# KiCad board panel.kicad_pcb (continued)
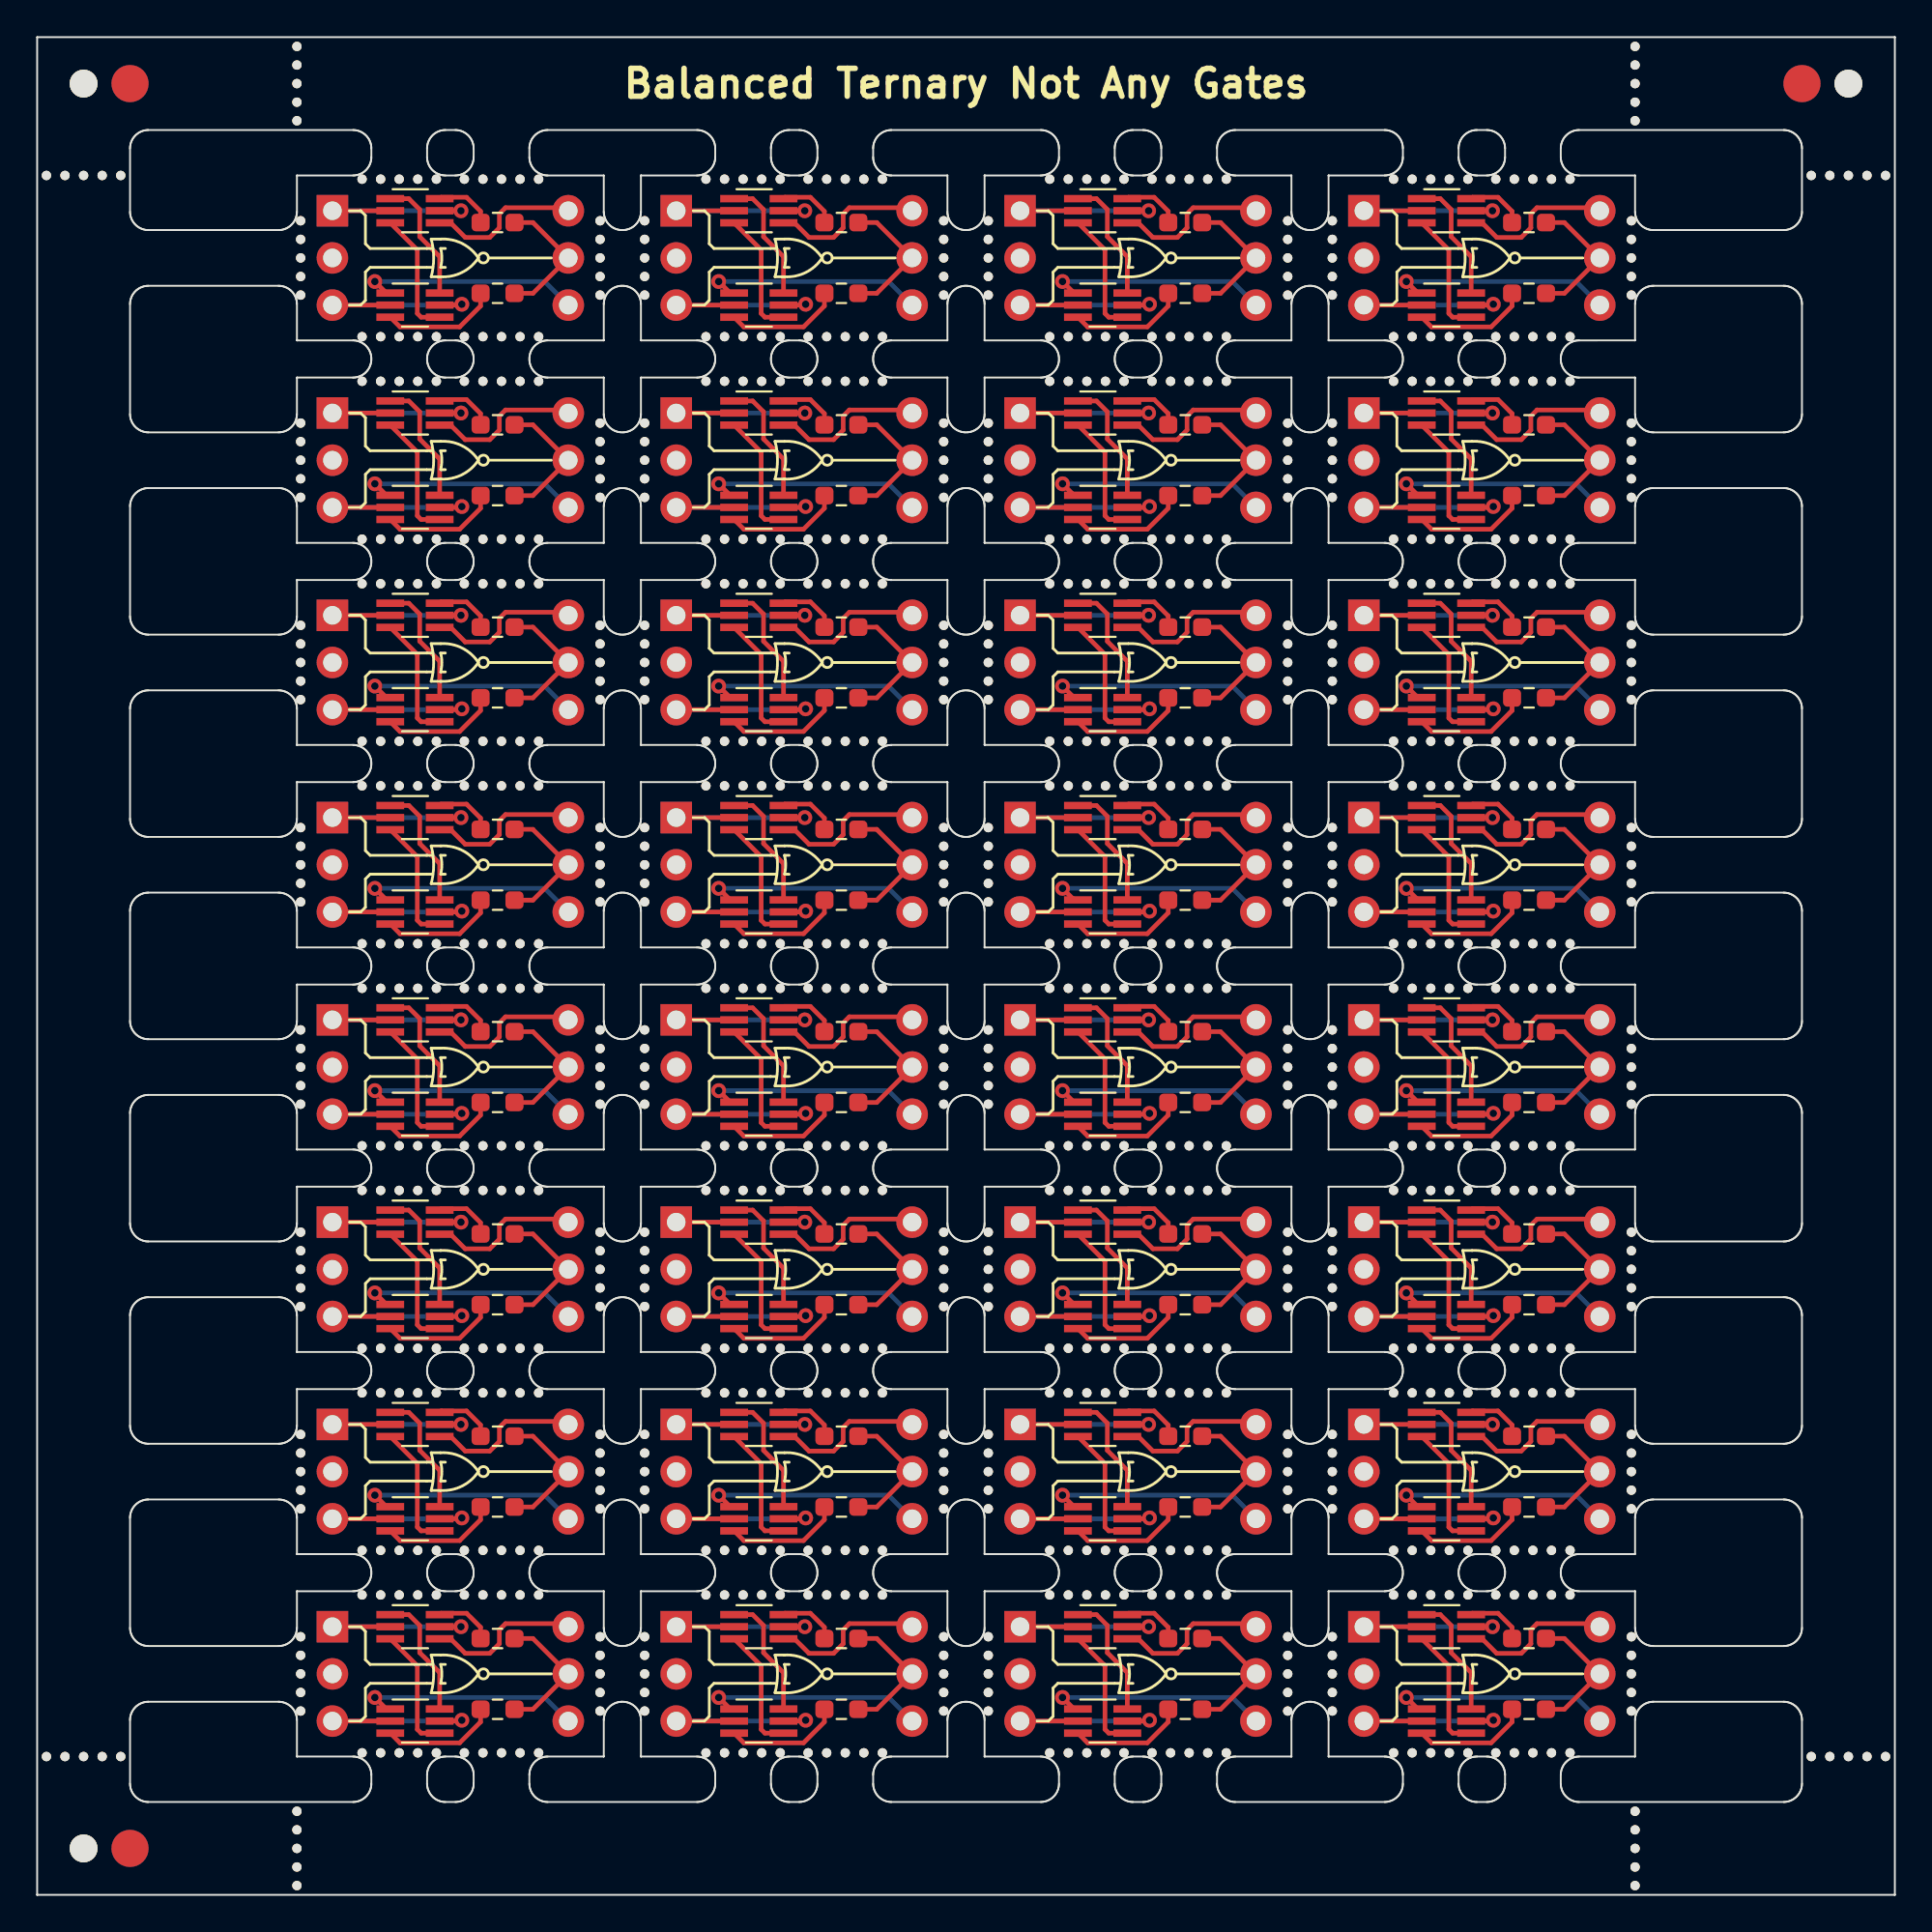
[diagram p0: board, top side]
## Routing (per net, layer and track width the routed paths; a pad name or vN(x,y) marks a point on that pad's centre or on a via; arc(x,y) is an arc through that point) (continued)
  Top w0.25: Q2#2.6 77.2,77.3 76.13,78.38 76.13,79.84 75.54,80.43 Q1#27.1
Board_7-Net-(Q1-Pad3): length 6.8
  Top w0.25: Q2#2.4 76.2,74.05 76,74.25 76,77.67 Q1#27.3
Board_7-Net-(Q1-Pad6): length 3.2
  Top w0.25: Q1#27.6 77.27,80.5 78.65,80.5 79.4,79.75 R2#32.2
Board_7-Net-(Q2-Pad3): length 6.2
  Top w0.25: Q2#2.3 75.06,73.52 78.28,73.52 79.4,74.65 R1#26.1
Board_7-Out: length 7.4
  Top w0.25: R2#32.1 82.22,79.14 J2#8.2 82.22,75.33 R1#26.2
Board_7-VDD: length 8.4
  Top w0.25: Q1#27.4 77.79,79.13 78.58,78.34 79.9,78.34 80.42,78.86 80.42,79.61 80.74,79.94 83.96,79.94 J2#8.1
Board_7-VSS: length 12
  Top w0.25: Q2#2.1 74.33,75.35 v1(73.71,75.97)
  Bottom w0.25: v1(73.71,75.97) 82.86,75.97 J2#8.3
Board_8-A: length 11.3
  Top w0.25: J1#9.3 Q2.2 ; v1(22.86,63.85) 22.82,63.81 Q2.5
  Bottom w0.25: v1(22.86,63.85) 22.82,63.81 J1#9.3
Board_8-B: length 11.2
  Top w0.25: Q1#29.5 v1(22.82,68.89) ; J1#9.1 Q1#29.2
  Bottom w0.25: v1(22.82,68.89) J1#9.1
Board_8-Net-(Q1-Pad1): length 6.8
  Top w0.25: Q2.6 21.67,66.41 20.6,67.49 20.6,68.95 20.01,69.54 Q1#29.1
Board_8-Net-(Q1-Pad3): length 6.8
  Top w0.25: Q1#29.3 20.47,66.78 20.47,63.36 20.67,63.16 Q2.4
Board_8-Net-(Q1-Pad6): length 3.2
  Top w0.25: R2#14.2 23.87,68.86 23.12,69.61 21.74,69.61 Q1#29.6
Board_8-Net-(Q2-Pad3): length 6.2
  Top w0.25: R1#5.1 23.87,63.76 22.74,62.63 19.53,62.63 Q2.3
Board_8-Out: length 7.4
  Top w0.25: R1#5.2 26.69,64.44 J2#6.2 26.69,68.25 R2#14.1
Board_8-VDD: length 8.4
  Top w0.25: Q1#29.4 22.26,68.24 23.05,67.45 24.37,67.45 24.88,67.97 24.88,68.72 25.21,69.05 28.43,69.05 J2#6.1
Board_8-VSS: length 12
  Top w0.25: Q2.1 18.8,64.46 v1(18.18,65.08)
  Bottom w0.25: v1(18.18,65.08) 27.33,65.08 J2#6.3
Board_9-A: length 11.3
  Top w0.25: v1(41.37,63.85) 41.33,63.81 Q2#22.5 ; J1#29.3 Q2#22.2
  Bottom w0.25: J1#29.3 41.33,63.81 v1(41.37,63.85)
Board_9-B: length 11.2
  Top w0.25: J1#29.1 Q1#19.2 ; Q1#19.5 v1(41.33,68.89)
  Bottom w0.25: v1(41.33,68.89) J1#29.1
Board_9-Net-(Q1-Pad1): length 6.8
  Top w0.25: Q2#22.6 40.18,66.41 39.11,67.49 39.11,68.95 38.52,69.54 Q1#19.1
Board_9-Net-(Q1-Pad3): length 6.8
  Top w0.25: Q1#19.3 38.98,66.78 38.98,63.36 39.18,63.16 Q2#22.4
Board_9-Net-(Q1-Pad6): length 3.2
  Top w0.25: Q1#19.6 40.25,69.61 41.63,69.61 42.38,68.86 R2#20.2
Board_9-Net-(Q2-Pad3): length 6.2
  Top w0.25: R1#20.1 42.38,63.76 41.26,62.63 38.05,62.63 Q2#22.3
Board_9-Out: length 7.4
  Top w0.25: R1#20.2 45.2,64.44 J2#27.2 45.2,68.25 R2#20.1
Board_9-VDD: length 8.4
  Top w0.25: Q1#19.4 40.77,68.24 41.55,67.45 42.88,67.45 43.4,67.97 43.4,68.72 43.72,69.05 46.94,69.05 J2#27.1
Board_9-VSS: length 12
  Top w0.25: v1(36.69,65.08) 37.31,64.46 Q2#22.1
  Bottom w0.25: v1(36.69,65.08) 45.84,65.08 J2#27.3
Board_10-A: length 11.3
  Top w0.25: J1#21.3 Q2#20.2 ; Q2#20.5 59.84,63.81 v1(59.88,63.85)
  Bottom w0.25: J1#21.3 59.84,63.81 v1(59.88,63.85)
Board_10-B: length 11.2
  Top w0.25: J1#21.1 Q1#25.2 ; Q1#25.5 v1(59.84,68.89)
  Bottom w0.25: v1(59.84,68.89) J1#21.1
Board_10-Net-(Q1-Pad1): length 6.8
  Top w0.25: Q2#20.6 58.69,66.41 57.62,67.49 57.62,68.95 57.03,69.54 Q1#25.1
Board_10-Net-(Q1-Pad3): length 6.8
  Top w0.25: Q2#20.4 57.69,63.16 57.49,63.36 57.49,66.78 Q1#25.3
Board_10-Net-(Q1-Pad6): length 3.2
  Top w0.25: Q1#25.6 58.76,69.61 60.14,69.61 60.89,68.86 R2#7.2
Board_10-Net-(Q2-Pad3): length 6.2
  Top w0.25: R1#19.1 60.89,63.76 59.77,62.63 56.56,62.63 Q2#20.3
Board_10-Out: length 7.4
  Top w0.25: R1#19.2 63.71,64.44 J2#15.2 63.71,68.25 R2#7.1
Board_10-VDD: length 8.4
  Top w0.25: Q1#25.4 59.28,68.24 60.06,67.45 61.39,67.45 61.91,67.97 61.91,68.72 62.23,69.05 65.45,69.05 J2#15.1
Board_10-VSS: length 12
  Top w0.25: Q2#20.1 55.82,64.46 v1(55.2,65.08)
  Bottom w0.25: v1(55.2,65.08) 64.34,65.08 J2#15.3
Board_11-A: length 11.3
  Top w0.25: J1#24.3 Q2#10.2 ; v1(78.39,63.85) 78.35,63.81 Q2#10.5
  Bottom w0.25: v1(78.39,63.85) 78.35,63.81 J1#24.3
Board_11-B: length 11.2
  Top w0.25: J1#24.1 Q1#21.2 ; Q1#21.5 v1(78.35,68.89)
  Bottom w0.25: v1(78.35,68.89) J1#24.1
Board_11-Net-(Q1-Pad1): length 6.8
  Top w0.25: Q1#21.1 75.54,69.54 76.13,68.95 76.13,67.49 77.2,66.41 Q2#10.6
Board_11-Net-(Q1-Pad3): length 6.8
  Top w0.25: Q2#10.4 76.2,63.16 76,63.36 76,66.78 Q1#21.3
Board_11-Net-(Q1-Pad6): length 3.2
  Top w0.25: Q1#21.6 77.27,69.61 78.65,69.61 79.4,68.86 R2.2
Board_11-Net-(Q2-Pad3): length 6.2
  Top w0.25: Q2#10.3 75.06,62.63 78.28,62.63 79.4,63.76 R1#9.1
Board_11-Out: length 7.4
  Top w0.25: R2.1 82.22,68.25 J2#26.2 82.22,64.44 R1#9.2
Board_11-VDD: length 8.4
  Top w0.25: Q1#21.4 77.79,68.24 78.58,67.45 79.9,67.45 80.42,67.97 80.42,68.72 80.74,69.05 83.96,69.05 J2#26.1
Board_11-VSS: length 12
  Top w0.25: Q2#10.1 74.33,64.46 v1(73.71,65.08)
  Bottom w0.25: J2#26.3 82.86,65.08 v1(73.71,65.08)
Board_12-A: length 11.3
  Top w0.25: v1(22.86,52.96) 22.82,52.92 Q2#6.5 ; J1#2.3 Q2#6.2
  Bottom w0.25: J1#2.3 22.82,52.92 v1(22.86,52.96)
Board_12-B: length 11.2
  Top w0.25: Q1#10.5 v1(22.82,58) ; J1#2.1 Q1#10.2
  Bottom w0.25: v1(22.82,58) J1#2.1
Board_12-Net-(Q1-Pad1): length 6.8
  Top w0.25: Q1#10.1 20.01,58.65 20.6,58.06 20.6,56.6 21.67,55.52 Q2#6.6
Board_12-Net-(Q1-Pad3): length 6.8
  Top w0.25: Q2#6.4 20.67,52.27 20.47,52.47 20.47,55.89 Q1#10.3
Board_12-Net-(Q1-Pad6): length 3.2
  Top w0.25: Q1#10.6 21.74,58.72 23.12,58.72 23.87,57.97 R2#17.2
Board_12-Net-(Q2-Pad3): length 6.2
  Top w0.25: R1#30.1 23.87,52.87 22.74,51.74 19.53,51.74 Q2#6.3
Board_12-Out: length 7.4
  Top w0.25: R1#30.2 26.69,53.55 J2#22.2 26.69,57.36 R2#17.1
Board_12-VDD: length 8.4
  Top w0.25: Q1#10.4 22.26,57.35 23.05,56.56 24.37,56.56 24.88,57.08 24.88,57.83 25.21,58.16 28.43,58.16 J2#22.1
Board_12-VSS: length 12
  Top w0.25: v1(18.18,54.19) 18.8,53.57 Q2#6.1
  Bottom w0.25: v1(18.18,54.19) 27.33,54.19 J2#22.3
Board_13-A: length 11.3
  Top w0.25: J1#8.3 Q2#8.2 ; Q2#8.5 41.33,52.92 v1(41.37,52.96)
  Bottom w0.25: J1#8.3 41.33,52.92 v1(41.37,52.96)
Board_13-B: length 11.2
  Top w0.25: J1#8.1 Q1#2.2 ; Q1#2.5 v1(41.33,58)
  Bottom w0.25: v1(41.33,58) J1#8.1
Board_13-Net-(Q1-Pad1): length 6.8
  Top w0.25: Q2#8.6 40.18,55.52 39.11,56.6 39.11,58.06 38.52,58.65 Q1#2.1
Board_13-Net-(Q1-Pad3): length 6.8
  Top w0.25: Q1#2.3 38.98,55.89 38.98,52.47 39.18,52.27 Q2#8.4
Board_13-Net-(Q1-Pad6): length 3.2
  Top w0.25: R2#27.2 42.38,57.97 41.63,58.72 40.25,58.72 Q1#2.6
Board_13-Net-(Q2-Pad3): length 6.2
  Top w0.25: Q2#8.3 38.05,51.74 41.26,51.74 42.38,52.87 R1#4.1
Board_13-Out: length 7.4
  Top w0.25: R2#27.1 45.2,57.36 J2#12.2 45.2,53.55 R1#4.2
Board_13-VDD: length 8.4
  Top w0.25: Q1#2.4 40.77,57.35 41.55,56.56 42.88,56.56 43.4,57.08 43.4,57.83 43.72,58.16 46.94,58.16 J2#12.1
Board_13-VSS: length 12
  Top w0.25: v1(36.69,54.19) 37.31,53.57 Q2#8.1
  Bottom w0.25: v1(36.69,54.19) 45.84,54.19 J2#12.3
Board_14-A: length 11.3
  Top w0.25: Q2#32.5 59.84,52.92 v1(59.88,52.96) ; J1#25.3 Q2#32.2
  Bottom w0.25: v1(59.88,52.96) 59.84,52.92 J1#25.3
Board_14-B: length 11.2
  Top w0.25: Q1#30.5 v1(59.84,58) ; J1#25.1 Q1#30.2
  Bottom w0.25: v1(59.84,58) J1#25.1
Board_14-Net-(Q1-Pad1): length 6.8
  Top w0.25: Q2#32.6 58.69,55.52 57.62,56.6 57.62,58.06 57.03,58.65 Q1#30.1
Board_14-Net-(Q1-Pad3): length 6.8
  Top w0.25: Q2#32.4 57.69,52.27 57.49,52.47 57.49,55.89 Q1#30.3
Board_14-Net-(Q1-Pad6): length 3.2
  Top w0.25: Q1#30.6 58.76,58.72 60.14,58.72 60.89,57.97 R2#8.2
Board_14-Net-(Q2-Pad3): length 6.2
  Top w0.25: R1#22.1 60.89,52.87 59.77,51.74 56.56,51.74 Q2#32.3
Board_14-Out: length 7.4
  Top w0.25: R2#8.1 63.71,57.36 J2#7.2 63.71,53.55 R1#22.2
Board_14-VDD: length 8.4
  Top w0.25: J2#7.1 65.45,58.16 62.23,58.16 61.91,57.83 61.91,57.08 61.39,56.56 60.06,56.56 59.28,57.35 Q1#30.4
Board_14-VSS: length 12
  Top w0.25: Q2#32.1 55.82,53.57 v1(55.2,54.19)
  Bottom w0.25: J2#7.3 64.34,54.19 v1(55.2,54.19)
Board_15-A: length 11.3
  Top w0.25: J1#5.3 Q2#15.2 ; v1(78.39,52.96) 78.35,52.92 Q2#15.5
  Bottom w0.25: v1(78.39,52.96) 78.35,52.92 J1#5.3
Board_15-B: length 11.2
  Top w0.25: J1#5.1 Q1#23.2 ; Q1#23.5 v1(78.35,58)
  Bottom w0.25: v1(78.35,58) J1#5.1
Board_15-Net-(Q1-Pad1): length 6.8
  Top w0.25: Q2#15.6 77.2,55.52 76.13,56.6 76.13,58.06 75.54,58.65 Q1#23.1
Board_15-Net-(Q1-Pad3): length 6.8
  Top w0.25: Q2#15.4 76.2,52.27 76,52.47 76,55.89 Q1#23.3
Board_15-Net-(Q1-Pad6): length 3.2
  Top w0.25: R2#21.2 79.4,57.97 78.65,58.72 77.27,58.72 Q1#23.6
Board_15-Net-(Q2-Pad3): length 6.2
  Top w0.25: Q2#15.3 75.06,51.74 78.28,51.74 79.4,52.87 R1#23.1
Board_15-Out: length 7.4
  Top w0.25: R2#21.1 82.22,57.36 J2#9.2 82.22,53.55 R1#23.2
Board_15-VDD: length 8.4
  Top w0.25: Q1#23.4 77.79,57.35 78.58,56.56 79.9,56.56 80.42,57.08 80.42,57.83 80.74,58.16 83.96,58.16 J2#9.1
Board_15-VSS: length 12
  Top w0.25: Q2#15.1 74.33,53.57 v1(73.71,54.19)
  Bottom w0.25: J2#9.3 82.86,54.19 v1(73.71,54.19)
Board_16-A: length 11.3
  Top w0.25: v1(22.86,42.07) 22.82,42.03 Q2#24.5 ; J1#19.3 Q2#24.2
  Bottom w0.25: J1#19.3 22.82,42.03 v1(22.86,42.07)
Board_16-B: length 11.2
  Top w0.25: J1#19.1 Q1#16.2 ; Q1#16.5 v1(22.82,47.11)
  Bottom w0.25: v1(22.82,47.11) J1#19.1
Board_16-Net-(Q1-Pad1): length 6.8
  Top w0.25: Q1#16.1 20.01,47.76 20.6,47.17 20.6,45.71 21.67,44.63 Q2#24.6
Board_16-Net-(Q1-Pad3): length 6.8
  Top w0.25: Q1#16.3 20.47,45 20.47,41.58 20.67,41.38 Q2#24.4
Board_16-Net-(Q1-Pad6): length 3.2
  Top w0.25: Q1#16.6 21.74,47.83 23.12,47.83 23.87,47.08 R2#10.2
Board_16-Net-(Q2-Pad3): length 6.2
  Top w0.25: Q2#24.3 19.53,40.85 22.74,40.85 23.87,41.98 R1#28.1
Board_16-Out: length 7.4
  Top w0.25: R1#28.2 26.69,42.66 J2#32.2 26.69,46.47 R2#10.1
Board_16-VDD: length 8.4
  Top w0.25: J2#32.1 28.43,47.27 25.21,47.27 24.88,46.94 24.88,46.19 24.37,45.67 23.05,45.67 22.26,46.46 Q1#16.4
Board_16-VSS: length 12
  Top w0.25: v1(18.18,43.3) 18.8,42.68 Q2#24.1
  Bottom w0.25: J2#32.3 27.33,43.3 v1(18.18,43.3)
Board_17-A: length 11.3
  Top w0.25: J1#12.3 Q2#9.2 ; v1(41.37,42.07) 41.33,42.03 Q2#9.5
  Bottom w0.25: v1(41.37,42.07) 41.33,42.03 J1#12.3
Board_17-B: length 11.2
  Top w0.25: Q1.5 v1(41.33,47.11) ; J1#12.1 Q1.2
  Bottom w0.25: v1(41.33,47.11) J1#12.1
Board_17-Net-(Q1-Pad1): length 6.8
  Top w0.25: Q2#9.6 40.18,44.63 39.11,45.71 39.11,47.17 38.52,47.76 Q1.1
Board_17-Net-(Q1-Pad3): length 6.8
  Top w0.25: Q2#9.4 39.18,41.38 38.98,41.58 38.98,45 Q1.3
Board_17-Net-(Q1-Pad6): length 3.2
  Top w0.25: Q1.6 40.25,47.83 41.63,47.83 42.38,47.08 R2#30.2
Board_17-Net-(Q2-Pad3): length 6.2
  Top w0.25: Q2#9.3 38.05,40.85 41.26,40.85 42.38,41.98 R1#21.1
Board_17-Out: length 7.4
  Top w0.25: R1#21.2 45.2,42.66 J2#28.2 45.2,46.47 R2#30.1
Board_17-VDD: length 8.4
  Top w0.25: J2#28.1 46.94,47.27 43.72,47.27 43.4,46.94 43.4,46.19 42.88,45.67 41.55,45.67 40.77,46.46 Q1.4
Board_17-VSS: length 12
  Top w0.25: Q2#9.1 37.31,42.68 v1(36.69,43.3)
  Bottom w0.25: v1(36.69,43.3) 45.84,43.3 J2#28.3
Board_18-A: length 11.3
  Top w0.25: v1(59.88,42.07) 59.84,42.03 Q2#18.5 ; J1#14.3 Q2#18.2
  Bottom w0.25: v1(59.88,42.07) 59.84,42.03 J1#14.3
Board_18-B: length 11.2
  Top w0.25: Q1#9.5 v1(59.84,47.11) ; J1#14.1 Q1#9.2
  Bottom w0.25: v1(59.84,47.11) J1#14.1
Board_18-Net-(Q1-Pad1): length 6.8
  Top w0.25: Q1#9.1 57.03,47.76 57.62,47.17 57.62,45.71 58.69,44.63 Q2#18.6
Board_18-Net-(Q1-Pad3): length 6.8
  Top w0.25: Q2#18.4 57.69,41.38 57.49,41.58 57.49,45 Q1#9.3
Board_18-Net-(Q1-Pad6): length 3.2
  Top w0.25: R2#12.2 60.89,47.08 60.14,47.83 58.76,47.83 Q1#9.6
Board_18-Net-(Q2-Pad3): length 6.2
  Top w0.25: Q2#18.3 56.56,40.85 59.77,40.85 60.89,41.98 R1#31.1
Board_18-Out: length 7.4
  Top w0.25: R2#12.1 63.71,46.47 J2#30.2 63.71,42.66 R1#31.2
Board_18-VDD: length 8.4
  Top w0.25: J2#30.1 65.45,47.27 62.23,47.27 61.91,46.94 61.91,46.19 61.39,45.67 60.06,45.67 59.28,46.46 Q1#9.4
Board_18-VSS: length 12
  Top w0.25: Q2#18.1 55.82,42.68 v1(55.2,43.3)
  Bottom w0.25: v1(55.2,43.3) 64.34,43.3 J2#30.3
Board_19-A: length 11.3
  Top w0.25: Q2#13.5 78.35,42.03 v1(78.39,42.07) ; J1#28.3 Q2#13.2
  Bottom w0.25: v1(78.39,42.07) 78.35,42.03 J1#28.3
Board_19-B: length 11.2
  Top w0.25: Q1#8.5 v1(78.35,47.11) ; J1#28.1 Q1#8.2
  Bottom w0.25: v1(78.35,47.11) J1#28.1
Board_19-Net-(Q1-Pad1): length 6.8
  Top w0.25: Q2#13.6 77.2,44.63 76.13,45.71 76.13,47.17 75.54,47.76 Q1#8.1
Board_19-Net-(Q1-Pad3): length 6.8
  Top w0.25: Q2#13.4 76.2,41.38 76,41.58 76,45 Q1#8.3
Board_19-Net-(Q1-Pad6): length 3.2
  Top w0.25: R2#9.2 79.4,47.08 78.65,47.83 77.27,47.83 Q1#8.6
Board_19-Net-(Q2-Pad3): length 6.2
  Top w0.25: Q2#13.3 75.06,40.85 78.28,40.85 79.4,41.98 R1#29.1
Board_19-Out: length 7.4
  Top w0.25: R1#29.2 82.22,42.66 J2#31.2 82.22,46.47 R2#9.1
Board_19-VDD: length 8.4
  Top w0.25: Q1#8.4 77.79,46.46 78.58,45.67 79.9,45.67 80.42,46.19 80.42,46.94 80.74,47.27 83.96,47.27 J2#31.1
Board_19-VSS: length 12
  Top w0.25: v1(73.71,43.3) 74.33,42.68 Q2#13.1
  Bottom w0.25: J2#31.3 82.86,43.3 v1(73.71,43.3)
Board_20-A: length 11.3
  Top w0.25: J1#31.3 Q2#19.2 ; v1(22.86,31.18) 22.82,31.14 Q2#19.5
  Bottom w0.25: v1(22.86,31.18) 22.82,31.14 J1#31.3
Board_20-B: length 11.2
  Top w0.25: Q1#13.5 v1(22.82,36.22) ; J1#31.1 Q1#13.2
  Bottom w0.25: v1(22.82,36.22) J1#31.1
Board_20-Net-(Q1-Pad1): length 6.8
  Top w0.25: Q1#13.1 20.01,36.87 20.6,36.28 20.6,34.82 21.67,33.74 Q2#19.6
Board_20-Net-(Q1-Pad3): length 6.8
  Top w0.25: Q1#13.3 20.47,34.11 20.47,30.69 20.67,30.49 Q2#19.4
Board_20-Net-(Q1-Pad6): length 3.2
  Top w0.25: Q1#13.6 21.74,36.94 23.12,36.94 23.87,36.19 R2#11.2
Board_20-Net-(Q2-Pad3): length 6.2
  Top w0.25: Q2#19.3 19.53,29.96 22.74,29.96 23.87,31.09 R1#3.1
Board_20-Out: length 7.4
  Top w0.25: R2#11.1 26.69,35.58 J2#13.2 26.69,31.77 R1#3.2
Board_20-VDD: length 8.4
  Top w0.25: Q1#13.4 22.26,35.57 23.05,34.78 24.37,34.78 24.88,35.3 24.88,36.05 25.21,36.38 28.43,36.38 J2#13.1
Board_20-VSS: length 12
  Top w0.25: v1(18.18,32.41) 18.8,31.79 Q2#19.1
  Bottom w0.25: v1(18.18,32.41) 27.33,32.41 J2#13.3
Board_21-A: length 11.3
  Top w0.25: v1(41.37,31.18) 41.33,31.14 Q2#26.5 ; J1#13.3 Q2#26.2
  Bottom w0.25: J1#13.3 41.33,31.14 v1(41.37,31.18)
Board_21-B: length 11.2
  Top w0.25: Q1#28.5 v1(41.33,36.22) ; J1#13.1 Q1#28.2
  Bottom w0.25: v1(41.33,36.22) J1#13.1
Board_21-Net-(Q1-Pad1): length 6.8
  Top w0.25: Q2#26.6 40.18,33.74 39.11,34.82 39.11,36.28 38.52,36.87 Q1#28.1
Board_21-Net-(Q1-Pad3): length 6.8
  Top w0.25: Q1#28.3 38.98,34.11 38.98,30.69 39.18,30.49 Q2#26.4
Board_21-Net-(Q1-Pad6): length 3.2
  Top w0.25: R2#29.2 42.38,36.19 41.63,36.94 40.25,36.94 Q1#28.6
Board_21-Net-(Q2-Pad3): length 6.2
  Top w0.25: R1#25.1 42.38,31.09 41.26,29.96 38.05,29.96 Q2#26.3
Board_21-Out: length 7.4
  Top w0.25: R2#29.1 45.2,35.58 J2#23.2 45.2,31.77 R1#25.2
Board_21-VDD: length 8.4
  Top w0.25: J2#23.1 46.94,36.38 43.72,36.38 43.4,36.05 43.4,35.3 42.88,34.78 41.55,34.78 40.77,35.57 Q1#28.4
Board_21-VSS: length 12
  Top w0.25: v1(36.69,32.41) 37.31,31.79 Q2#26.1
  Bottom w0.25: v1(36.69,32.41) 45.84,32.41 J2#23.3
Board_22-A: length 11.3
  Top w0.25: Q2#4.5 59.84,31.14 v1(59.88,31.18) ; J1#22.3 Q2#4.2
  Bottom w0.25: J1#22.3 59.84,31.14 v1(59.88,31.18)
Board_22-B: length 11.2
  Top w0.25: Q1#24.5 v1(59.84,36.22) ; J1#22.1 Q1#24.2
  Bottom w0.25: v1(59.84,36.22) J1#22.1
Board_22-Net-(Q1-Pad1): length 6.8
  Top w0.25: Q2#4.6 58.69,33.74 57.62,34.82 57.62,36.28 57.03,36.87 Q1#24.1
Board_22-Net-(Q1-Pad3): length 6.8
  Top w0.25: Q1#24.3 57.49,34.11 57.49,30.69 57.69,30.49 Q2#4.4
Board_22-Net-(Q1-Pad6): length 3.2
  Top w0.25: Q1#24.6 58.76,36.94 60.14,36.94 60.89,36.19 R2#2.2
Board_22-Net-(Q2-Pad3): length 6.2
  Top w0.25: R1#11.1 60.89,31.09 59.77,29.96 56.56,29.96 Q2#4.3
Board_22-Out: length 7.4
  Top w0.25: R2#2.1 63.71,35.58 J2#14.2 63.71,31.77 R1#11.2
Board_22-VDD: length 8.4
  Top w0.25: J2#14.1 65.45,36.38 62.23,36.38 61.91,36.05 61.91,35.3 61.39,34.78 60.06,34.78 59.28,35.57 Q1#24.4
Board_22-VSS: length 12
  Top w0.25: Q2#4.1 55.82,31.79 v1(55.2,32.41)
  Bottom w0.25: v1(55.2,32.41) 64.34,32.41 J2#14.3
Board_23-A: length 11.3
  Top w0.25: J1#17.3 Q2#11.2 ; v1(78.39,31.18) 78.35,31.14 Q2#11.5
  Bottom w0.25: v1(78.39,31.18) 78.35,31.14 J1#17.3
Board_23-B: length 11.2
  Top w0.25: J1#17.1 Q1#31.2 ; Q1#31.5 v1(78.35,36.22)
  Bottom w0.25: v1(78.35,36.22) J1#17.1
Board_23-Net-(Q1-Pad1): length 6.8
  Top w0.25: Q2#11.6 77.2,33.74 76.13,34.82 76.13,36.28 75.54,36.87 Q1#31.1
Board_23-Net-(Q1-Pad3): length 6.8
  Top w0.25: Q2#11.4 76.2,30.49 76,30.69 76,34.11 Q1#31.3
Board_23-Net-(Q1-Pad6): length 3.2
  Top w0.25: Q1#31.6 77.27,36.94 78.65,36.94 79.4,36.19 R2#31.2
Board_23-Net-(Q2-Pad3): length 6.2
  Top w0.25: R1#7.1 79.4,31.09 78.28,29.96 75.06,29.96 Q2#11.3
Board_23-Out: length 7.4
  Top w0.25: R1#7.2 82.22,31.77 J2.2 82.22,35.58 R2#31.1
Board_23-VDD: length 8.4
  Top w0.25: J2.1 83.96,36.38 80.74,36.38 80.42,36.05 80.42,35.3 79.9,34.78 78.58,34.78 77.79,35.57 Q1#31.4
Board_23-VSS: length 12
  Top w0.25: v1(73.71,32.41) 74.33,31.79 Q2#11.1
  Bottom w0.25: J2.3 82.86,32.41 v1(73.71,32.41)
Board_24-A: length 11.3
  Top w0.25: J1#20.3 Q2#14.2 ; v1(22.86,20.29) 22.82,20.25 Q2#14.5
  Bottom w0.25: v1(22.86,20.29) 22.82,20.25 J1#20.3
Board_24-B: length 11.2
  Top w0.25: J1#20.1 Q1#15.2 ; Q1#15.5 v1(22.82,25.33)
  Bottom w0.25: v1(22.82,25.33) J1#20.1
Board_24-Net-(Q1-Pad1): length 6.8
  Top w0.25: Q1#15.1 20.01,25.98 20.6,25.39 20.6,23.93 21.67,22.85 Q2#14.6
Board_24-Net-(Q1-Pad3): length 6.8
  Top w0.25: Q2#14.4 20.67,19.6 20.47,19.8 20.47,23.22 Q1#15.3
Board_24-Net-(Q1-Pad6): length 3.2
  Top w0.25: Q1#15.6 21.74,26.05 23.12,26.05 23.87,25.3 R2#4.2
Board_24-Net-(Q2-Pad3): length 6.2
  Top w0.25: R1#27.1 23.87,20.2 22.74,19.07 19.53,19.07 Q2#14.3
Board_24-Out: length 7.4
  Top w0.25: R2#4.1 26.69,24.69 J2#29.2 26.69,20.88 R1#27.2
Board_24-VDD: length 8.4
  Top w0.25: J2#29.1 28.43,25.49 25.21,25.49 24.88,25.16 24.88,24.41 24.37,23.89 23.05,23.89 22.26,24.68 Q1#15.4
Board_24-VSS: length 12
  Top w0.25: Q2#14.1 18.8,20.9 v1(18.18,21.52)
  Bottom w0.25: v1(18.18,21.52) 27.33,21.52 J2#29.3
Board_25-A: length 11.3
  Top w0.25: v1(41.37,20.29) 41.33,20.25 Q2#5.5 ; J1#11.3 Q2#5.2
  Bottom w0.25: J1#11.3 41.33,20.25 v1(41.37,20.29)
Board_25-B: length 11.2
  Top w0.25: Q1#14.5 v1(41.33,25.33) ; J1#11.1 Q1#14.2
  Bottom w0.25: v1(41.33,25.33) J1#11.1
Board_25-Net-(Q1-Pad1): length 6.8
  Top w0.25: Q1#14.1 38.52,25.98 39.11,25.39 39.11,23.93 40.18,22.85 Q2#5.6
Board_25-Net-(Q1-Pad3): length 6.8
  Top w0.25: Q2#5.4 39.18,19.6 38.98,19.8 38.98,23.22 Q1#14.3
Board_25-Net-(Q1-Pad6): length 3.2
  Top w0.25: Q1#14.6 40.25,26.05 41.63,26.05 42.38,25.3 R2#16.2
Board_25-Net-(Q2-Pad3): length 6.2
  Top w0.25: Q2#5.3 38.05,19.07 41.26,19.07 42.38,20.2 R1#10.1
Board_25-Out: length 7.4
  Top w0.25: R1#10.2 45.2,20.88 J2#3.2 45.2,24.69 R2#16.1
Board_25-VDD: length 8.4
  Top w0.25: Q1#14.4 40.77,24.68 41.55,23.89 42.88,23.89 43.4,24.41 43.4,25.16 43.72,25.49 46.94,25.49 J2#3.1
Board_25-VSS: length 12
  Top w0.25: v1(36.69,21.52) 37.31,20.9 Q2#5.1
  Bottom w0.25: v1(36.69,21.52) 45.84,21.52 J2#3.3
Board_26-A: length 11.3
  Top w0.25: J1#10.3 Q2#27.2 ; Q2#27.5 59.84,20.25 v1(59.88,20.29)
  Bottom w0.25: v1(59.88,20.29) 59.84,20.25 J1#10.3
Board_26-B: length 11.2
  Top w0.25: Q1#32.5 v1(59.84,25.33) ; J1#10.1 Q1#32.2
  Bottom w0.25: v1(59.84,25.33) J1#10.1
Board_26-Net-(Q1-Pad1): length 6.8
  Top w0.25: Q1#32.1 57.03,25.98 57.62,25.39 57.62,23.93 58.69,22.85 Q2#27.6
Board_26-Net-(Q1-Pad3): length 6.8
  Top w0.25: Q2#27.4 57.69,19.6 57.49,19.8 57.49,23.22 Q1#32.3
Board_26-Net-(Q1-Pad6): length 3.2
  Top w0.25: Q1#32.6 58.76,26.05 60.14,26.05 60.89,25.3 R2#19.2
Board_26-Net-(Q2-Pad3): length 6.2
  Top w0.25: R1#2.1 60.89,20.2 59.77,19.07 56.56,19.07 Q2#27.3
Board_26-Out: length 7.4
  Top w0.25: R1#2.2 63.71,20.88 J2#24.2 63.71,24.69 R2#19.1
Board_26-VDD: length 8.4
  Top w0.25: Q1#32.4 59.28,24.68 60.06,23.89 61.39,23.89 61.91,24.41 61.91,25.16 62.23,25.49 65.45,25.49 J2#24.1
Board_26-VSS: length 12
  Top w0.25: Q2#27.1 55.82,20.9 v1(55.2,21.52)
  Bottom w0.25: J2#24.3 64.34,21.52 v1(55.2,21.52)
Board_27-A: length 11.3
  Top w0.25: Q2#30.5 78.35,20.25 v1(78.39,20.29) ; J1#30.3 Q2#30.2
  Bottom w0.25: v1(78.39,20.29) 78.35,20.25 J1#30.3
Board_27-B: length 11.2
  Top w0.25: Q1#18.5 v1(78.35,25.33) ; J1#30.1 Q1#18.2
  Bottom w0.25: v1(78.35,25.33) J1#30.1
Board_27-Net-(Q1-Pad1): length 6.8
  Top w0.25: Q2#30.6 77.2,22.85 76.13,23.93 76.13,25.39 75.54,25.98 Q1#18.1
Board_27-Net-(Q1-Pad3): length 6.8
  Top w0.25: Q2#30.4 76.2,19.6 76,19.8 76,23.22 Q1#18.3
Board_27-Net-(Q1-Pad6): length 3.2
  Top w0.25: Q1#18.6 77.27,26.05 78.65,26.05 79.4,25.3 R2#6.2
Board_27-Net-(Q2-Pad3): length 6.2
  Top w0.25: R1#17.1 79.4,20.2 78.28,19.07 75.06,19.07 Q2#30.3
Board_27-Out: length 7.4
  Top w0.25: R1#17.2 82.22,20.88 J2#18.2 82.22,24.69 R2#6.1
Board_27-VDD: length 8.4
  Top w0.25: J2#18.1 83.96,25.49 80.74,25.49 80.42,25.16 80.42,24.41 79.9,23.89 78.58,23.89 77.79,24.68 Q1#18.4
Board_27-VSS: length 12
  Top w0.25: Q2#30.1 74.33,20.9 v1(73.71,21.52)
  Bottom w0.25: J2#18.3 82.86,21.52 v1(73.71,21.52)
Board_28-A: length 11.3
  Top w0.25: Q2#16.5 22.82,9.36 v1(22.86,9.4) ; J1#6.3 Q2#16.2
  Bottom w0.25: J1#6.3 22.82,9.36 v1(22.86,9.4)
Board_28-B: length 11.2
  Top w0.25: J1#6.1 Q1#4.2 ; Q1#4.5 v1(22.82,14.44)
  Bottom w0.25: v1(22.82,14.44) J1#6.1
Board_28-Net-(Q1-Pad1): length 6.8
  Top w0.25: Q2#16.6 21.67,11.96 20.6,13.04 20.6,14.5 20.01,15.09 Q1#4.1
Board_28-Net-(Q1-Pad3): length 6.8
  Top w0.25: Q2#16.4 20.67,8.71 20.47,8.91 20.47,12.33 Q1#4.3
Board_28-Net-(Q1-Pad6): length 3.2
  Top w0.25: R2#26.2 23.87,14.41 23.12,15.16 21.74,15.16 Q1#4.6
Board_28-Net-(Q2-Pad3): length 6.2
  Top w0.25: R1.1 23.87,9.31 22.74,8.18 19.53,8.18 Q2#16.3
Board_28-Out: length 7.4
  Top w0.25: R1.2 26.69,9.99 J2#19.2 26.69,13.8 R2#26.1
Board_28-VDD: length 8.4
  Top w0.25: J2#19.1 28.43,14.6 25.21,14.6 24.88,14.27 24.88,13.52 24.37,13 23.05,13 22.26,13.79 Q1#4.4
Board_28-VSS: length 12
  Top w0.25: Q2#16.1 18.8,10.01 v1(18.18,10.63)
  Bottom w0.25: J2#19.3 27.33,10.63 v1(18.18,10.63)
Board_29-A: length 11.3
  Top w0.25: J1#16.3 Q2#28.2 ; v1(41.37,9.4) 41.33,9.36 Q2#28.5
  Bottom w0.25: v1(41.37,9.4) 41.33,9.36 J1#16.3
Board_29-B: length 11.2
  Top w0.25: J1#16.1 Q1#26.2 ; Q1#26.5 v1(41.33,14.44)
  Bottom w0.25: v1(41.33,14.44) J1#16.1
Board_29-Net-(Q1-Pad1): length 6.8
  Top w0.25: Q2#28.6 40.18,11.96 39.11,13.04 39.11,14.5 38.52,15.09 Q1#26.1
Board_29-Net-(Q1-Pad3): length 6.8
  Top w0.25: Q2#28.4 39.18,8.71 38.98,8.91 38.98,12.33 Q1#26.3
Board_29-Net-(Q1-Pad6): length 3.2
  Top w0.25: R2#15.2 42.38,14.41 41.63,15.16 40.25,15.16 Q1#26.6
Board_29-Net-(Q2-Pad3): length 6.2
  Top w0.25: Q2#28.3 38.05,8.18 41.26,8.18 42.38,9.31 R1#15.1
Board_29-Out: length 7.4
  Top w0.25: R1#15.2 45.2,9.99 J2#10.2 45.2,13.8 R2#15.1
Board_29-VDD: length 8.4
  Top w0.25: J2#10.1 46.94,14.6 43.72,14.6 43.4,14.27 43.4,13.52 42.88,13 41.55,13 40.77,13.79 Q1#26.4
Board_29-VSS: length 12
  Top w0.25: Q2#28.1 37.31,10.01 v1(36.69,10.63)
  Bottom w0.25: v1(36.69,10.63) 45.84,10.63 J2#10.3
Board_30-A: length 11.3
  Top w0.25: Q2#23.5 59.84,9.36 v1(59.88,9.4) ; J1#15.3 Q2#23.2
  Bottom w0.25: v1(59.88,9.4) 59.84,9.36 J1#15.3
Board_30-B: length 11.2
  Top w0.25: Q1#12.5 v1(59.84,14.44) ; J1#15.1 Q1#12.2
  Bottom w0.25: v1(59.84,14.44) J1#15.1
Board_30-Net-(Q1-Pad1): length 6.8
  Top w0.25: Q1#12.1 57.03,15.09 57.62,14.5 57.62,13.04 58.69,11.96 Q2#23.6
Board_30-Net-(Q1-Pad3): length 6.8
  Top w0.25: Q1#12.3 57.49,12.33 57.49,8.91 57.69,8.71 Q2#23.4
Board_30-Net-(Q1-Pad6): length 3.2
  Top w0.25: Q1#12.6 58.76,15.16 60.14,15.16 60.89,14.41 R2#18.2
Board_30-Net-(Q2-Pad3): length 6.2
  Top w0.25: R1#18.1 60.89,9.31 59.77,8.18 56.56,8.18 Q2#23.3
Board_30-Out: length 7.4
  Top w0.25: R2#18.1 63.71,13.8 J2#16.2 63.71,9.99 R1#18.2
Board_30-VDD: length 8.4
  Top w0.25: J2#16.1 65.45,14.6 62.23,14.6 61.91,14.27 61.91,13.52 61.39,13 60.06,13 59.28,13.79 Q1#12.4
Board_30-VSS: length 12
  Top w0.25: v1(55.2,10.63) 55.82,10.01 Q2#23.1
  Bottom w0.25: v1(55.2,10.63) 64.34,10.63 J2#16.3
Board_31-A: length 11.3
  Top w0.25: J1#7.3 Q2#31.2 ; Q2#31.5 78.35,9.36 v1(78.39,9.4)
  Bottom w0.25: v1(78.39,9.4) 78.35,9.36 J1#7.3
Board_31-B: length 11.2
  Top w0.25: J1#7.1 Q1#11.2 ; Q1#11.5 v1(78.35,14.44)
  Bottom w0.25: v1(78.35,14.44) J1#7.1
Board_31-Net-(Q1-Pad1): length 6.8
  Top w0.25: Q1#11.1 75.54,15.09 76.13,14.5 76.13,13.04 77.2,11.96 Q2#31.6
Board_31-Net-(Q1-Pad3): length 6.8
  Top w0.25: Q2#31.4 76.2,8.71 76,8.91 76,12.33 Q1#11.3
Board_31-Net-(Q1-Pad6): length 3.2
  Top w0.25: Q1#11.6 77.27,15.16 78.65,15.16 79.4,14.41 R2#23.2
Board_31-Net-(Q2-Pad3): length 6.2
  Top w0.25: R1#12.1 79.4,9.31 78.28,8.18 75.06,8.18 Q2#31.3
Board_31-Out: length 7.4
  Top w0.25: R1#12.2 82.22,9.99 J2#5.2 82.22,13.8 R2#23.1
Board_31-VDD: length 8.4
  Top w0.25: J2#5.1 83.96,14.6 80.74,14.6 80.42,14.27 80.42,13.52 79.9,13 78.58,13 77.79,13.79 Q1#11.4
Board_31-VSS: length 12
  Top w0.25: Q2#31.1 74.33,10.01 v1(73.71,10.63)
  Bottom w0.25: J2#5.3 82.86,10.63 v1(73.71,10.63)

## Text on the board
B.Silkscreen: B | A
F.Silkscreen: Balanced Ternary Not Any Gates
